# KiCad board BACKUP_PCB.kicad_pcb (continued)
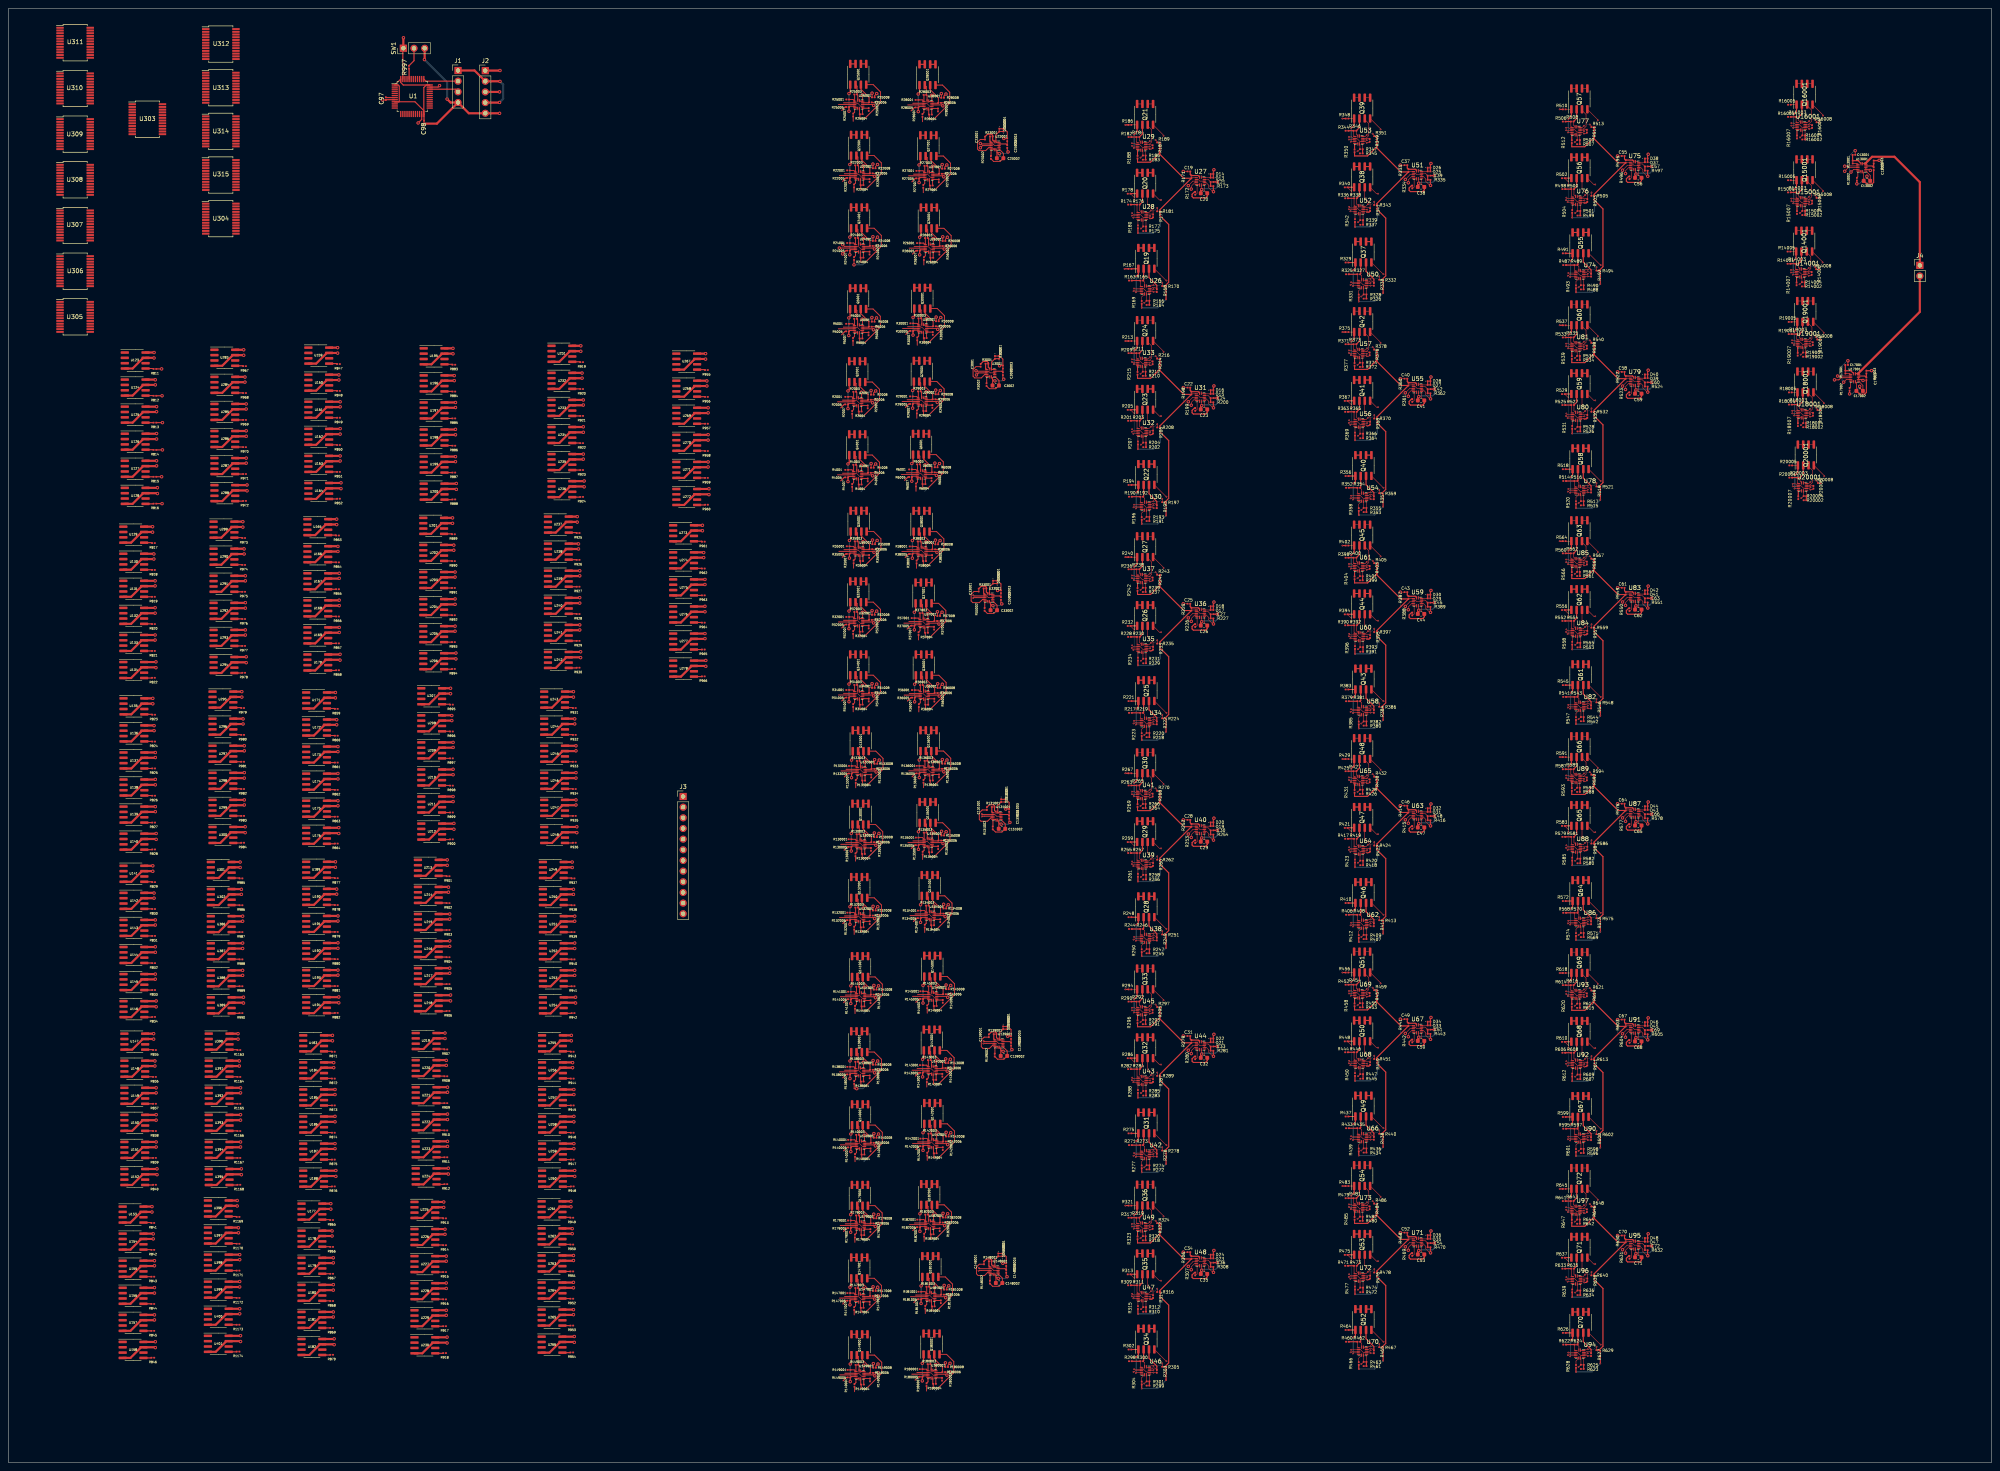
[diagram p0: board, top side]
## Routing (per net, layer and track width the routed paths; a pad name or vN(x,y) marks a point on that pad's centre or on a via; arc(x,y) is an arc through that point) (continued)
Net-(Q42A-S1): length 8.2
  Top w0.1: R375.2 320.53,269.38 ; v1(319.76,263.88) U57.4
  Top w0.25: v1(319.86,267.08) 320.55,267.77 Q42.1
  Bottom w0.25: v1(319.76,263.88) 319.86,263.98 v1(319.86,267.08)
Net-(Q42B-G2): length 15.1
  Top w0.1: U57.7 321.94,263.25 R374.2 321.44,261.58 v1(321.36,261.58) ; Q42.4 326.86,266.91 v1(326.86,266.78)
  In1.Cu w0.1: v1(326.86,266.78) 326.86,263.88 324.56,261.58 v1(321.36,261.58)
Net-(Q42B-S2): length 6.9
  Top w0.1: R376.2 324.06,264.5 323.88,264.68 323.36,264.68 ; 323.36,264.68 323.39,264.68 324.06,265.34 324.06,268.17 323.09,269.13 ; 323.36,264.68 U57.11
Net-(Q43A-G1): length 4.3
  Top w0.1: U58.14 322.36,181.03 R381.2
  Top w0.25: R381.2 322.12,181.55 Q43.2
Net-(Q43A-S1): length 8.9
  Top w0.1: U58.4 320.41,178.76 v1(320.26,178.61)
  Top w0.25: Q43.1 320.85,182.9 v1(320.36,182.41) ; R383.2 320.83,184.21
  Bottom w0.25: v1(320.26,178.61) 320.36,178.71 v1(320.36,182.41)
Net-(Q43B-G2): length 17.4
  Top w0.1: Q43.4 327.49,181.41 v1(327.56,181.41) ; U58.7 322.84,178.13 R382.2 322.34,176.11 v1(322.26,176.11)
  In1.Cu w0.1: v1(327.56,181.41) 327.96,181.01 327.96,176.61 327.46,176.11 v1(322.26,176.11)
Net-(Q43B-S2): length 7.7
  Top w0.1: U58.11 324.03,179.56 324.28,179.81 324.78,179.81 R384.2
  Top w0.25: Q43.3 323.39,182.12 325.26,180.25 R384.2
Net-(Q44A-G1): length 4.8
  Top w0.1: R392.2 321.18,198.14 U60.14
  Top w0.25: R392.2 321.82,200.15 Q44.2
Net-(Q44A-S1): length 8.8
  Top w0.1: R394.2 319.86,201.23 v1(319.86,200.31) ; v1(319.66,196.41) U60.4
  Top w0.25: Q44.1 319,202.13
  Bottom w0.1: v1(319.86,200.31) 319.86,196.61 v1(319.66,196.41)
Net-(Q44B-G2): length 16
  Top w0.1: Q44.4 325.89,200.61 v1(326.26,200.61) ; U60.7 321.96,194.39 ; v1(321.46,193.81) 321.54,193.81 R393.2
  In1.Cu w0.1: v1(326.26,200.61) 326.76,200.11 326.76,195.71 324.86,193.81 v1(321.46,193.81)
Net-(Q44B-S2): length 7
  Top w0.1: 322.76,197.26 324.23,197.26 ; R395.2 324.36,198.25 323.09,199.51 Q44.3
Net-(Q45A-G1): length 4.6
  Top w0.1: R400.2 321.08,214.74 U61.14
  Top w0.25: R400.2 321.82,216.35 Q45.2
Net-(Q45A-S1): length 8.2
  Top w0.1: R402.2 320.53,218.51 ; v1(319.76,213.01) U61.4
  Top w0.25: Q45.1 320.55,216.9 v1(319.86,216.21)
  Bottom w0.25: v1(319.86,216.21) 319.86,213.11 v1(319.76,213.01)
Net-(Q45B-G2): length 15.1
  Top w0.1: U61.7 321.94,212.38 R401.2 321.44,210.71 v1(321.36,210.71) ; Q45.4 326.86,216.04 v1(326.86,215.91)
  In1.Cu w0.1: v1(321.36,210.71) 324.56,210.71 326.86,213.01 v1(326.86,215.91)
Net-(Q45B-S2): length 6.9
  Top w0.1: 323.36,213.81 323.88,213.81 324.06,213.63 R403.2 ; 323.36,213.81 U61.11 ; 323.36,213.81 323.39,213.81 324.06,214.47 324.06,217.3 323.09,218.26
Net-(Q46A-G1): length 4.3
  Top w0.1: R408.2 322.36,130.16 U62.14
  Top w0.25: Q46.2 322.12,130.68 R408.2
Net-(Q46A-S1): length 8.9
  Top w0.1: v1(320.26,127.74) 320.41,127.89 U62.4
  Top w0.25: v1(320.36,131.54) 320.85,132.03 Q46.1 ; R410.2 320.83,133.34
  Bottom w0.25: v1(320.36,131.54) 320.36,127.84 v1(320.26,127.74)
Net-(Q46B-G2): length 17.4
  Top w0.1: Q46.4 327.49,130.54 v1(327.56,130.54) ; v1(322.26,125.24) 322.34,125.24 R409.2 322.84,127.26 U62.7
  In1.Cu w0.1: v1(322.26,125.24) 327.46,125.24 327.96,125.74 327.96,130.14 v1(327.56,130.54)
Net-(Q46B-S2): length 7.7
  Top w0.1: U62.11 324.03,128.69 324.28,128.94 324.78,128.94 R411.2
  Top w0.25: Q46.3 323.39,131.25 325.26,129.38 R411.2
Net-(Q47A-G1): length 4.8
  Top w0.1: R419.2 321.18,147.27 U64.14
  Top w0.25: R419.2 321.82,149.28 Q47.2
Net-(Q47A-S1): length 8.8
  Top w0.1: v1(319.86,149.44) 319.86,150.36 R421.2 ; v1(319.66,145.54) U64.4
  Top w0.25: Q47.1 319,151.26
  Bottom w0.1: v1(319.66,145.54) 319.86,145.74 v1(319.86,149.44)
Net-(Q47B-G2): length 16
  Top w0.1: v1(326.26,149.74) 325.89,149.74 Q47.4 ; R420.2 321.54,142.94 v1(321.46,142.94) ; U64.7 321.96,143.52
  In1.Cu w0.1: v1(326.26,149.74) 326.76,149.24 326.76,144.84 324.86,142.94 v1(321.46,142.94)
Net-(Q47B-S2): length 7
  Top w0.1: Q47.3 323.09,148.64 324.36,147.38 R422.2 ; 322.76,146.39 324.23,146.39
Net-(Q48A-G1): length 4.6
  Top w0.1: R427.2 321.08,163.87 U65.14
  Top w0.25: R427.2 321.82,165.48 Q48.2
Net-(Q48A-S1): length 8.2
  Top w0.1: R429.2 320.53,167.64 ; v1(319.76,162.14) U65.4
  Top w0.25: Q48.1 320.55,166.03 v1(319.86,165.34)
  Bottom w0.25: v1(319.76,162.14) 319.86,162.24 v1(319.86,165.34)
Net-(Q48B-G2): length 15.1
  Top w0.1: v1(326.86,165.04) 326.86,165.17 Q48.4 ; U65.7 321.94,161.51 R428.2 321.44,159.84 v1(321.36,159.84)
  In1.Cu w0.1: v1(326.86,165.04) 326.86,162.14 324.56,159.84 v1(321.36,159.84)
Net-(Q48B-S2): length 6.9
  Top w0.1: R430.2 324.06,162.76 323.88,162.94 323.36,162.94 ; 323.09,167.39 324.06,166.43 324.06,163.6 323.39,162.94 323.36,162.94 ; 323.36,162.94 U65.11
Net-(Q49A-G1): length 4.3
  Top w0.1: U66.14 322.36,79.29 R435.2
  Top w0.25: Q49.2 322.12,79.81 R435.2
Net-(Q49A-S1): length 8.9
  Top w0.1: v1(320.26,76.87) 320.41,77.02 U66.4
  Top w0.25: v1(320.36,80.67) 320.85,81.16 Q49.1 ; R437.2 320.83,82.47
  Bottom w0.25: v1(320.36,80.67) 320.36,76.97 v1(320.26,76.87)
Net-(Q49B-G2): length 17.4
  Top w0.1: v1(327.56,79.67) 327.49,79.67 Q49.4 ; U66.7 322.84,76.39 R436.2 322.34,74.37 v1(322.26,74.37)
  In1.Cu w0.1: v1(322.26,74.37) 327.46,74.37 327.96,74.87 327.96,79.27 v1(327.56,79.67)
Net-(Q49B-S2): length 7.7
  Top w0.1: R438.2 324.78,78.07 324.28,78.07 324.03,77.82 U66.11
  Top w0.25: R438.2 325.26,78.51 323.39,80.38 Q49.3
Net-(Q50A-G1): length 4.8
  Top w0.1: U68.14 321.18,96.4 R446.2
  Top w0.25: R446.2 321.82,98.41 Q50.2
Net-(Q50A-S1): length 8.8
  Top w0.1: v1(319.66,94.67) U68.4 ; R448.2 319.86,99.49 v1(319.86,98.57)
  Top w0.25: Q50.1 319,100.39
  Bottom w0.1: v1(319.66,94.67) 319.86,94.87 v1(319.86,98.57)
Net-(Q50B-G2): length 16
  Top w0.1: R447.2 321.54,92.07 v1(321.46,92.07) ; Q50.4 325.89,98.87 v1(326.26,98.87) ; U68.7 321.96,92.65
  In1.Cu w0.1: v1(326.26,98.87) 326.76,98.37 326.76,93.97 324.86,92.07 v1(321.46,92.07)
Net-(Q50B-S2): length 7
  Top w0.1: 322.76,95.52 324.23,95.52 ; R449.2 324.36,96.51 323.09,97.77 Q50.3
Net-(Q51A-G1): length 4.6
  Top w0.1: U69.14 321.08,113 R454.2
  Top w0.25: R454.2 321.82,114.61 Q51.2
Net-(Q51A-S1): length 8.2
  Top w0.1: R456.2 320.53,116.77 ; v1(319.76,111.27) U69.4
  Top w0.25: v1(319.86,114.47) 320.55,115.16 Q51.1
  Bottom w0.25: v1(319.76,111.27) 319.86,111.37 v1(319.86,114.47)
Net-(Q51B-G2): length 15.1
  Top w0.1: U69.7 321.94,110.64 R455.2 321.44,108.97 v1(321.36,108.97) ; v1(326.86,114.17) 326.86,114.3 Q51.4
  In1.Cu w0.1: v1(326.86,114.17) 326.86,111.27 324.56,108.97 v1(321.36,108.97)
Net-(Q51B-S2): length 6.9
  Top w0.1: 323.09,116.52 324.06,115.56 324.06,112.73 323.39,112.07 323.36,112.07 ; U69.11 323.36,112.07 ; 323.36,112.07 323.88,112.07 324.06,111.89 R457.2
Net-(Q52A-G1): length 4.3
  Top w0.1: U70.14 322.36,28.42 R462.2
  Top w0.25: R462.2 322.12,28.94 Q52.2
Net-(Q52A-S1): length 8.9
  Top w0.1: U70.4 320.41,26.15 v1(320.26,26)
  Top w0.25: R464.2 320.83,31.6 ; Q52.1 320.85,30.29 v1(320.36,29.8)
  Bottom w0.25: v1(320.36,29.8) 320.36,26.1 v1(320.26,26)
Net-(Q52B-G2): length 17.4
  Top w0.1: Q52.4 327.49,28.8 v1(327.56,28.8) ; v1(322.26,23.5) 322.34,23.5 R463.2 322.84,25.52 U70.7
  In1.Cu w0.1: v1(322.26,23.5) 327.46,23.5 327.96,24 327.96,28.4 v1(327.56,28.8)
Net-(Q52B-S2): length 7.7
  Top w0.1: U70.11 324.03,26.95 324.28,27.2 324.78,27.2 R465.2
  Top w0.25: R465.2 325.26,27.64 323.39,29.51 Q52.3
Net-(Q53A-G1): length 4.8
  Top w0.1: R473.2 321.18,45.53 U72.14
  Top w0.25: Q53.2 321.82,47.54 R473.2
Net-(Q53A-S1): length 8.8
  Top w0.1: v1(319.86,47.7) 319.86,48.62 R475.2 ; v1(319.66,43.8) U72.4
  Top w0.25: Q53.1 319,49.52
  Bottom w0.1: v1(319.86,47.7) 319.86,44 v1(319.66,43.8)
Net-(Q53B-G2): length 16
  Top w0.1: U72.7 321.96,41.78 ; R474.2 321.54,41.2 v1(321.46,41.2) ; v1(326.26,48) 325.89,48 Q53.4
  In1.Cu w0.1: v1(326.26,48) 326.76,47.5 326.76,43.1 324.86,41.2 v1(321.46,41.2)
Net-(Q53B-S2): length 7
  Top w0.1: R476.2 324.36,45.64 323.09,46.9 Q53.3 ; 322.76,44.65 324.23,44.65
Net-(Q54A-G1): length 4.6
  Top w0.1: U73.14 321.08,62.13 R481.2
  Top w0.25: R481.2 321.82,63.74 Q54.2
Net-(Q54A-S1): length 8.2
  Top w0.1: v1(319.76,60.4) U73.4 ; R483.2 320.53,65.9
  Top w0.25: v1(319.86,63.6) 320.55,64.29 Q54.1
  Bottom w0.25: v1(319.76,60.4) 319.86,60.5 v1(319.86,63.6)
Net-(Q54B-G2): length 15.1
  Top w0.1: v1(321.36,58.1) 321.44,58.1 R482.2 321.94,59.77 U73.7 ; v1(326.86,63.3) 326.86,63.43 Q54.4
  In1.Cu w0.1: v1(321.36,58.1) 324.56,58.1 326.86,60.4 v1(326.86,63.3)
Net-(Q54B-S2): length 6.9
  Top w0.1: U73.11 323.36,61.2 ; 323.36,61.2 323.88,61.2 324.06,61.02 R484.2 ; 323.36,61.2 323.39,61.2 324.06,61.86 324.06,64.69 323.09,65.65
Net-(Q55A-G1): length 4.3
  Top w0.1: U74.14 374.1,284.96 R489.2
  Top w0.25: R489.2 373.86,285.48 Q55.2
Net-(Q55A-S1): length 8.9
  Top w0.1: v1(372,282.54) 372.15,282.69 U74.4
  Top w0.25: Q55.1 372.59,286.83 v1(372.1,286.34) ; R491.2 372.57,288.14
  Bottom w0.25: v1(372,282.54) 372.1,282.64 v1(372.1,286.34)
Net-(Q55B-G2): length 17.4
  Top w0.1: U74.7 374.58,282.06 R490.2 374.08,280.04 v1(374,280.04) ; Q55.4 379.23,285.34 v1(379.3,285.34)
  In1.Cu w0.1: v1(374,280.04) 379.2,280.04 379.7,280.54 379.7,284.94 v1(379.3,285.34)
Net-(Q55B-S2): length 7.7
  Top w0.1: R492.2 376.52,283.73 376.02,283.73 375.77,283.49 U74.11
  Top w0.25: Q55.3 375.13,286.05 377,284.18 R492.2
Net-(Q56A-G1): length 4.8
  Top w0.1: R500.2 372.92,302.07 U76.14
  Top w0.25: R500.2 373.56,304.08 Q56.2
Net-(Q56A-S1): length 8.8
  Top w0.1: R502.2 371.6,305.16 v1(371.6,304.24) ; v1(371.4,300.34) U76.4
  Top w0.25: Q56.1 370.74,306.06
  Bottom w0.1: v1(371.4,300.34) 371.6,300.54 v1(371.6,304.24)
Net-(Q56B-G2): length 16
  Top w0.1: Q56.4 377.63,304.54 v1(378,304.54) ; v1(373.2,297.74) 373.28,297.74 R501.2 ; U76.7 373.7,298.32
  In1.Cu w0.1: v1(373.2,297.74) 376.6,297.74 378.5,299.64 378.5,304.04 v1(378,304.54)
Net-(Q56B-S2): length 7
  Top w0.1: R503.2 376.1,302.17 374.83,303.44 Q56.3 ; 374.5,301.19 375.97,301.19
Net-(Q57A-G1): length 4.6
  Top w0.1: R508.2 372.82,318.67 U77.14
  Top w0.25: Q57.2 373.56,320.28 R508.2
Net-(Q57A-S1): length 8.2
  Top w0.1: v1(371.5,316.94) U77.4 ; R510.2 372.27,322.44
  Top w0.25: v1(371.6,320.14) 372.29,320.83 Q57.1
  Bottom w0.25: v1(371.6,320.14) 371.6,317.04 v1(371.5,316.94)
Net-(Q57B-G2): length 15.1
  Top w0.1: U77.7 373.68,316.31 R509.2 373.18,314.64 v1(373.1,314.64) ; v1(378.6,319.84) 378.6,319.97 Q57.4
  In1.Cu w0.1: v1(378.6,319.84) 378.6,316.94 376.3,314.64 v1(373.1,314.64)
Net-(Q57B-S2): length 6.9
  Top w0.1: R511.2 375.8,317.56 375.62,317.74 375.1,317.74 ; U77.11 375.1,317.74 ; 375.1,317.74 375.13,317.74 375.8,318.4 375.8,321.23 374.83,322.19
Net-(Q58A-G1): length 4.3
  Top w0.1: U78.14 374.1,233.51 R516.2
  Top w0.25: Q58.2 373.86,234.04 R516.2
Net-(Q58A-S1): length 8.9
  Top w0.1: v1(372,231.09) 372.15,231.24 U78.4
  Top w0.25: Q58.1 372.59,235.39 v1(372.1,234.89) ; R518.2 372.57,236.69
  Bottom w0.25: v1(372,231.09) 372.1,231.19 v1(372.1,234.89)
Net-(Q58B-G2): length 17.4
  Top w0.1: v1(379.3,233.89) 379.23,233.89 Q58.4 ; U78.7 374.58,230.61 R517.2 374.08,228.59 v1(374,228.59)
  In1.Cu w0.1: v1(374,228.59) 379.2,228.59 379.7,229.09 379.7,233.49 v1(379.3,233.89)
Net-(Q58B-S2): length 7.7
  Top w0.1: R519.2 376.52,232.29 376.02,232.29 375.77,232.04 U78.11
  Top w0.25: Q58.3 375.13,234.6 377,232.74 R519.2
Net-(Q59A-G1): length 4.8
  Top w0.1: R527.2 372.92,250.62 U80.14
  Top w0.25: Q59.2 373.56,252.64 R527.2
Net-(Q59A-S1): length 8.8
  Top w0.1: v1(371.4,248.89) U80.4 ; v1(371.6,252.79) 371.6,253.71 R529.2
  Top w0.25: Q59.1 370.74,254.62
  Bottom w0.1: v1(371.4,248.89) 371.6,249.09 v1(371.6,252.79)
Net-(Q59B-G2): length 16
  Top w0.1: U80.7 373.7,246.87 ; R528.2 373.28,246.29 v1(373.2,246.29) ; Q59.4 377.63,253.09 v1(378,253.09)
  In1.Cu w0.1: v1(378,253.09) 378.5,252.59 378.5,248.19 376.6,246.29 v1(373.2,246.29)
Net-(Q59B-S2): length 7
  Top w0.1: R530.2 376.1,250.73 374.83,252 Q59.3 ; 374.5,249.74 375.97,249.74
Net-(Q60A-G1): length 4.6
  Top w0.1: R535.2 372.82,267.22 U81.14
  Top w0.25: Q60.2 373.56,268.84 R535.2
Net-(Q60A-S1): length 8.2
  Top w0.1: R537.2 372.27,270.99 ; v1(371.5,265.49) U81.4
  Top w0.25: Q60.1 372.29,269.39 v1(371.6,268.69)
  Bottom w0.25: v1(371.5,265.49) 371.6,265.59 v1(371.6,268.69)
Net-(Q60B-G2): length 15.1
  Top w0.1: U81.7 373.68,264.86 R536.2 373.18,263.19 v1(373.1,263.19) ; v1(378.6,268.39) 378.6,268.52 Q60.4
  In1.Cu w0.1: v1(378.6,268.39) 378.6,265.49 376.3,263.19 v1(373.1,263.19)
Net-(Q60B-S2): length 6.9
  Top w0.1: R538.2 375.8,266.11 375.62,266.29 375.1,266.29 ; U81.11 375.1,266.29 ; 375.1,266.29 375.13,266.29 375.8,266.96 375.8,269.78 374.83,270.75
Net-(Q61A-G1): length 4.3
  Top w0.1: R543.2 374.1,182.07 U82.14
  Top w0.25: R543.2 373.86,182.59 Q61.2
Net-(Q61A-S1): length 8.9
  Top w0.1: U82.4 372.15,179.8 v1(372,179.65)
  Top w0.25: R545.2 372.57,185.25 ; Q61.1 372.59,183.94 v1(372.1,183.45)
  Bottom w0.25: v1(372,179.65) 372.1,179.75 v1(372.1,183.45)
Net-(Q61B-G2): length 17.4
  Top w0.1: v1(374,177.15) 374.08,177.15 R544.2 374.58,179.17 U82.7 ; v1(379.3,182.45) 379.23,182.45 Q61.4
  In1.Cu w0.1: v1(379.3,182.45) 379.7,182.05 379.7,177.65 379.2,177.15 v1(374,177.15)
Net-(Q61B-S2): length 7.7
  Top w0.1: R546.2 376.52,180.85 376.02,180.85 375.77,180.6 U82.11
  Top w0.25: Q61.3 375.13,183.16 377,181.29 R546.2
Net-(Q62A-G1): length 4.8
  Top w0.1: R554.2 372.92,199.18 U84.14
  Top w0.25: R554.2 373.56,201.19 Q62.2
Net-(Q62A-S1): length 8.8
  Top w0.1: v1(371.6,201.35) 371.6,202.27 R556.2 ; v1(371.4,197.45) U84.4
  Top w0.25: Q62.1 370.74,203.17
  Bottom w0.1: v1(371.4,197.45) 371.6,197.65 v1(371.6,201.35)
Net-(Q62B-G2): length 16
  Top w0.1: Q62.4 377.63,201.65 v1(378,201.65) ; U84.7 373.7,195.43 ; R555.2 373.28,194.85 v1(373.2,194.85)
  In1.Cu w0.1: v1(378,201.65) 378.5,201.15 378.5,196.75 376.6,194.85 v1(373.2,194.85)
Net-(Q62B-S2): length 7
  Top w0.1: R557.2 376.1,199.29 374.83,200.55 Q62.3 ; 374.5,198.3 375.97,198.3
Net-(Q63A-G1): length 4.6
  Top w0.1: R562.2 372.82,215.78 U85.14
  Top w0.25: R562.2 373.56,217.39 Q63.2
Net-(Q63A-S1): length 8.2
  Top w0.1: R564.2 372.27,219.55 ; v1(371.5,214.05) U85.4
  Top w0.25: v1(371.6,217.25) 372.29,217.94 Q63.1
  Bottom w0.25: v1(371.6,217.25) 371.6,214.15 v1(371.5,214.05)
Net-(Q63B-G2): length 15.1
  Top w0.1: v1(378.6,216.95) 378.6,217.08 Q63.4 ; U85.7 373.68,213.42 R563.2 373.18,211.75 v1(373.1,211.75)
  In1.Cu w0.1: v1(373.1,211.75) 376.3,211.75 378.6,214.05 v1(378.6,216.95)
Net-(Q63B-S2): length 6.9
  Top w0.1: 375.1,214.85 375.62,214.85 375.8,214.67 R565.2 ; 375.1,214.85 U85.11 ; 375.1,214.85 375.13,214.85 375.8,215.51 375.8,218.34 374.83,219.3
Net-(Q64A-G1): length 4.3
  Top w0.1: U86.14 374.1,130.63 R570.2
  Top w0.25: Q64.2 373.86,131.15 R570.2
Net-(Q64A-S1): length 8.9
  Top w0.1: v1(372,128.21) 372.15,128.36 U86.4
  Top w0.25: v1(372.1,132.01) 372.59,132.5 Q64.1 ; R572.2 372.57,133.81
  Bottom w0.25: v1(372.1,132.01) 372.1,128.31 v1(372,128.21)
Net-(Q64B-G2): length 17.4
  Top w0.1: v1(374,125.71) 374.08,125.71 R571.2 374.58,127.73 U86.7 ; v1(379.3,131.01) 379.23,131.01 Q64.4
  In1.Cu w0.1: v1(379.3,131.01) 379.7,130.61 379.7,126.21 379.2,125.71 v1(374,125.71)
Net-(Q64B-S2): length 7.7
  Top w0.1: U86.11 375.77,129.16 376.02,129.4 376.52,129.4 R573.2
  Top w0.25: R573.2 377,129.85 375.13,131.71 Q64.3
Net-(Q65A-G1): length 4.8
  Top w0.1: R581.2 372.92,147.74 U88.14
  Top w0.25: Q65.2 373.56,149.75 R581.2
Net-(Q65A-S1): length 8.8
  Top w0.1: R583.2 371.6,150.83 v1(371.6,149.91) ; v1(371.4,146.01) U88.4
  Top w0.25: Q65.1 370.74,151.73
  Bottom w0.1: v1(371.6,149.91) 371.6,146.21 v1(371.4,146.01)
Net-(Q65B-G2): length 16
  Top w0.1: R582.2 373.28,143.41 v1(373.2,143.41) ; U88.7 373.7,143.99 ; v1(378,150.21) 377.63,150.21 Q65.4
  In1.Cu w0.1: v1(378,150.21) 378.5,149.71 378.5,145.31 376.6,143.41 v1(373.2,143.41)
Net-(Q65B-S2): length 7
  Top w0.1: Q65.3 374.83,149.11 376.1,147.84 R584.2 ; 374.5,146.86 375.97,146.86
Net-(Q66A-G1): length 4.6
  Top w0.1: U89.14 372.82,164.34 R589.2
  Top w0.25: R589.2 373.56,165.95 Q66.2
Net-(Q66A-S1): length 8.2
  Top w0.1: R591.2 372.27,168.11 ; v1(371.5,162.61) U89.4
  Top w0.25: v1(371.6,165.81) 372.29,166.5 Q66.1
  Bottom w0.25: v1(371.5,162.61) 371.6,162.71 v1(371.6,165.81)
Net-(Q66B-G2): length 15.1
  Top w0.1: v1(373.1,160.31) 373.18,160.31 R590.2 373.68,161.98 U89.7 ; v1(378.6,165.51) 378.6,165.64 Q66.4
  In1.Cu w0.1: v1(378.6,165.51) 378.6,162.61 376.3,160.31 v1(373.1,160.31)
Net-(Q66B-S2): length 6.9
  Top w0.1: R592.2 375.8,163.23 375.62,163.41 375.1,163.41 ; 375.1,163.41 U89.11 ; 375.1,163.41 375.13,163.41 375.8,164.07 375.8,166.9 374.83,167.86
Net-(Q67A-G1): length 4.3
  Top w0.1: R597.2 374.1,79.18 U90.14
  Top w0.25: R597.2 373.86,79.71 Q67.2
Net-(Q67A-S1): length 8.9
  Top w0.1: U90.4 372.15,76.91 v1(372,76.76)
  Top w0.25: Q67.1 372.59,81.06 v1(372.1,80.56) ; R599.2 372.57,82.36
  Bottom w0.25: v1(372.1,80.56) 372.1,76.86 v1(372,76.76)
Net-(Q67B-G2): length 17.4
  Top w0.1: Q67.4 379.23,79.56 v1(379.3,79.56) ; U90.7 374.58,76.28 R598.2 374.08,74.26 v1(374,74.26)
  In1.Cu w0.1: v1(374,74.26) 379.2,74.26 379.7,74.76 379.7,79.16 v1(379.3,79.56)
Net-(Q67B-S2): length 7.7
  Top w0.1: U90.11 375.77,77.71 376.02,77.96 376.52,77.96 R600.2
  Top w0.25: Q67.3 375.13,80.27 377,78.4 R600.2
Net-(Q68A-G1): length 4.8
  Top w0.1: R608.2 372.92,96.29 U92.14
  Top w0.25: R608.2 373.56,98.31 Q68.2
Net-(Q68A-S1): length 8.8
  Top w0.1: v1(371.4,94.56) U92.4 ; v1(371.6,98.46) 371.6,99.38 R610.2
  Top w0.25: Q68.1 370.74,100.29
  Bottom w0.1: v1(371.4,94.56) 371.6,94.76 v1(371.6,98.46)
Net-(Q68B-G2): length 16
  Top w0.1: Q68.4 377.63,98.76 v1(378,98.76) ; U92.7 373.7,92.54 ; R609.2 373.28,91.96 v1(373.2,91.96)
  In1.Cu w0.1: v1(378,98.76) 378.5,98.26 378.5,93.86 376.6,91.96 v1(373.2,91.96)
Net-(Q68B-S2): length 7
  Top w0.1: 374.5,95.41 375.97,95.41 ; Q68.3 374.83,97.66 376.1,96.4 R611.2
Net-(Q69A-G1): length 4.6
  Top w0.1: U93.14 372.82,112.89 R616.2
  Top w0.25: Q69.2 373.56,114.51 R616.2
Net-(Q69A-S1): length 8.2
  Top w0.1: v1(371.5,111.16) U93.4 ; R618.2 372.27,116.66
  Top w0.25: Q69.1 372.29,115.06 v1(371.6,114.36)
  Bottom w0.25: v1(371.5,111.16) 371.6,111.26 v1(371.6,114.36)
Net-(Q69B-G2): length 15.1
  Top w0.1: v1(378.6,114.06) 378.6,114.19 Q69.4 ; v1(373.1,108.86) 373.18,108.86 R617.2 373.68,110.53 U93.7
  In1.Cu w0.1: v1(373.1,108.86) 376.3,108.86 378.6,111.16 v1(378.6,114.06)
Net-(Q69B-S2): length 6.9
  Top w0.1: 375.1,111.96 375.62,111.96 375.8,111.78 R619.2 ; 375.1,111.96 U93.11 ; 375.1,111.96 375.13,111.96 375.8,112.63 375.8,115.45 374.83,116.42
Net-(Q70A-G1): length 4.3
  Top w0.1: R624.2 374.1,27.74 U94.14
  Top w0.25: Q70.2 373.86,28.26 R624.2
Net-(Q70A-S1): length 8.9
  Top w0.1: v1(372,25.32) 372.15,25.47 U94.4
  Top w0.25: v1(372.1,29.12) 372.59,29.61 Q70.1 ; R626.2 372.57,30.92
  Bottom w0.25: v1(372.1,29.12) 372.1,25.42 v1(372,25.32)
Net-(Q70B-G2): length 17.4
  Top w0.1: v1(374,22.82) 374.08,22.82 R625.2 374.58,24.84 U94.7 ; Q70.4 379.23,28.12 v1(379.3,28.12)
  In1.Cu w0.1: v1(379.3,28.12) 379.7,27.72 379.7,23.32 379.2,22.82 v1(374,22.82)
Net-(Q70B-S2): length 7.7
  Top w0.1: U94.11 375.77,26.27 376.02,26.51 376.52,26.51 R627.2
  Top w0.25: Q70.3 375.13,28.83 377,26.96 R627.2
Net-(Q71A-G1): length 4.8
  Top w0.1: U96.14 372.92,44.85 R635.2
  Top w0.25: Q71.2 373.56,46.86 R635.2
Net-(Q71A-S1): length 8.8
  Top w0.1: v1(371.4,43.12) U96.4 ; R637.2 371.6,47.94 v1(371.6,47.02)
  Top w0.25: Q71.1 370.74,48.84
  Bottom w0.1: v1(371.4,43.12) 371.6,43.32 v1(371.6,47.02)
Net-(Q71B-G2): length 16
  Top w0.1: Q71.4 377.63,47.32 v1(378,47.32) ; R636.2 373.28,40.52 v1(373.2,40.52) ; U96.7 373.7,41.1
  In1.Cu w0.1: v1(373.2,40.52) 376.6,40.52 378.5,42.42 378.5,46.82 v1(378,47.32)
Net-(Q71B-S2): length 7
  Top w0.1: R638.2 376.1,44.95 374.83,46.22 Q71.3 ; 374.5,43.97 375.97,43.97
Net-(Q72A-G1): length 4.6
  Top w0.1: R643.2 372.82,61.45 U97.14
  Top w0.25: R643.2 373.56,63.06 Q72.2
Net-(Q72A-S1): length 8.2
  Top w0.1: R645.2 372.27,65.22 ; v1(371.5,59.72) U97.4
  Top w0.25: Q72.1 372.29,63.61 v1(371.6,62.92)
  Bottom w0.25: v1(371.5,59.72) 371.6,59.82 v1(371.6,62.92)
Net-(Q72B-G2): length 15.1
  Top w0.1: v1(378.6,62.62) 378.6,62.75 Q72.4 ; v1(373.1,57.42) 373.18,57.42 R644.2 373.68,59.09 U97.7
  In1.Cu w0.1: v1(373.1,57.42) 376.3,57.42 378.6,59.72 v1(378.6,62.62)
Net-(Q72B-S2): length 6.9
  Top w0.1: U97.11 375.1,60.52 ; 375.1,60.52 375.13,60.52 375.8,61.18 375.8,64.01 374.83,64.97 ; 375.1,60.52 375.62,60.52 375.8,60.34 R646.2
Net-(Q2001A-G1): length 4
  Top w0.2: U2001.14 202.09,254.97 R2003.2 201.91,257.12 Q2001.2
Net-(Q2001A-S1): length 8.9
  Top w0.2: R2005.2 200.21,252.35 U2001.4
  Top w0.25: v2(199.99,251.15) 199.99,252.13 R2005.2 ; Q2001.1 200.28,255.64 v2(199.99,255.35)
  Bottom w0.25: v2(199.99,255.35) v2(199.99,251.15)
Net-(Q2001B-G2): length 15.5
  Top w0.2: Q2001.4 205.76,257.48 207.49,255.75 207.49,253.16 203.78,249.45 202.59,249.45 202.59,250.43 R2004.2 202.49,250.53 U2001.7
Net-(Q2001B-S2): length 6.6
  Top w0.2: U2001.11 204.67,253.15 R2006.2 204.77,254.46 202.82,256.4 Q2001.3
Net-(Q4001A-G1): length 4
  Top w0.2: Q4001.2 201.91,239.72 R4003.2 202.09,237.57 U4001.14
Net-(Q4001A-S1): length 8.9
  Top w0.2: U4001.4 200.21,234.95 R4005.2
  Top w0.25: v2(199.99,237.95) 200.28,238.25 Q4001.1 ; R4005.2 199.99,234.73 v2(199.99,233.75)
  Bottom w0.25: v2(199.99,237.95) v2(199.99,233.75)
Net-(Q4001B-G2): length 15.5
  Top w0.2: Q4001.4 205.76,240.07 207.49,238.35 207.49,235.76 203.78,232.05 202.59,232.05 202.59,233.03 R4004.2 202.49,233.13 U4001.7
Net-(Q4001B-S2): length 6.6
  Top w0.2: Q4001.3 202.82,239 204.77,237.06 R4006.2 204.67,235.75 U4001.11
Net-(Q5001A-G1): length 4
  Top w0.2: Q5001.2 202.11,274.52 R5003.2 202.29,272.37 U5001.14
Net-(Q5001A-S1): length 8.9
  Top w0.2: R5005.2 200.41,269.75 U5001.4
  Top w0.25: v2(200.19,268.55) 200.19,269.53 R5005.2 ; v2(200.19,272.75) 200.48,273.05 Q5001.1
  Bottom w0.25: v2(200.19,272.75) v2(200.19,268.55)
Net-(Q5001B-G2): length 15.5
  Top w0.2: U5001.7 202.69,267.93 R5004.2 202.79,267.83 202.79,266.85 203.98,266.85 207.69,270.56 207.69,273.15 205.96,274.88 Q5001.4
Net-(Q5001B-S2): length 6.6
  Top w0.2: Q5001.3 203.02,273.8 204.97,271.86 R5006.2 204.87,270.55 U5001.11
Net-(Q6001A-G1): length 4
  Top w0.2: U6001.14 217.29,237.67 R6003.2 217.11,239.82 Q6001.2
Net-(Q6001A-S1): length 8.9
  Top w0.2: R6005.2 215.41,235.05 U6001.4
  Top w0.25: Q6001.1 215.48,238.34 v2(215.19,238.05) ; v2(215.19,233.85) 215.19,234.83 R6005.2
  Bottom w0.25: v2(215.19,238.05) v2(215.19,233.85)
Net-(Q6001B-G2): length 15.5
  Top w0.2: Q6001.4 220.96,240.18 222.69,238.45 222.69,235.86 218.98,232.15 217.79,232.15 217.79,233.13 R6004.2 217.69,233.23 U6001.7
Net-(Q6001B-S2): length 6.6
  Top w0.2: U6001.11 219.87,235.85 R6006.2 219.97,237.16 218.02,239.1 Q6001.3
Net-(Q14001A-G1): length 4.6
  Top w0.1: R14003.2 426.36,284.78 U14001.14
  Top w0.25: Q14001.2 427.11,286.4 R14003.2
Net-(Q14001A-S1): length 8.2
  Top w0.1: R14005.2 425.81,288.55 ; v1(425.04,283.05) U14001.4
  Top w0.25: Q14001.1 425.84,286.95 v1(425.14,286.25)
  Bottom w0.25: v1(425.14,286.25) 425.14,283.15 v1(425.04,283.05)
Net-(Q14001B-G2): length 15.1
  Top w0.1: Q14001.4 432.14,286.08 v1(432.14,285.95) ; U14001.7 427.22,282.42 R14004.2 426.72,280.75 v1(426.64,280.75)
  In1.Cu w0.1: v1(432.14,285.95) 432.14,283.05 429.84,280.75 v1(426.64,280.75)
Net-(Q14001B-S2): length 6.9
  Top w0.1: 428.38,288.31 429.34,287.34 429.34,284.52 428.68,283.85 428.64,283.85 ; 428.64,283.85 U14001.11 ; 428.64,283.85 429.16,283.85 429.34,283.67 R14006.2
Net-(Q15001A-G1): length 4.6
  Top w0.1: U15001.14 426.46,301.78 R15003.2
  Top w0.25: Q15001.2 427.21,303.4 R15003.2
Net-(Q15001A-S1): length 8.2
  Top w0.1: R15005.2 425.91,305.55 ; v1(425.14,300.05) U15001.4
  Top w0.25: Q15001.1 425.94,303.95 v1(425.24,303.25)
  Bottom w0.25: v1(425.24,303.25) 425.24,300.15 v1(425.14,300.05)
Net-(Q15001B-G2): length 15.1
  Top w0.1: v1(432.24,302.95) 432.24,303.08 Q15001.4 ; U15001.7 427.32,299.42 R15004.2 426.82,297.75 v1(426.74,297.75)
  In1.Cu w0.1: v1(432.24,302.95) 432.24,300.05 429.94,297.75 v1(426.74,297.75)
Net-(Q15001B-S2): length 6.9
  Top w0.1: U15001.11 428.74,300.85 ; 428.74,300.85 428.78,300.85 429.44,301.52 429.44,304.34 428.48,305.31 ; 428.74,300.85 429.26,300.85 429.44,300.67 R15006.2
Net-(Q16001A-G1): length 4.6
  Top w0.1: U16001.14 426.46,319.78 R16003.2
  Top w0.25: R16003.2 427.21,321.4 Q16001.2
Net-(Q16001A-S1): length 8.2
  Top w0.1: v1(425.14,318.05) U16001.4 ; R16005.2 425.91,323.55
  Top w0.25: v1(425.24,321.25) 425.94,321.95 Q16001.1
  Bottom w0.25: v1(425.24,321.25) 425.24,318.15 v1(425.14,318.05)
Net-(Q16001B-G2): length 15.1
  Top w0.1: U16001.7 427.32,317.42 R16004.2 426.82,315.75 v1(426.74,315.75) ; Q16001.4 432.24,321.08 v1(432.24,320.95)
  In1.Cu w0.1: v1(426.74,315.75) 429.94,315.75 432.24,318.05 v1(432.24,320.95)
Net-(Q16001B-S2): length 6.9
  Top w0.1: 428.74,318.85 428.78,318.85 429.44,319.52 429.44,322.34 428.48,323.31 ; 428.74,318.85 U16001.11 ; 428.74,318.85 429.26,318.85 429.44,318.67 R16006.2